# Altium PCB Sayma_AMC_RFSoC.PcbDoc (part 6 of 11) (continued)
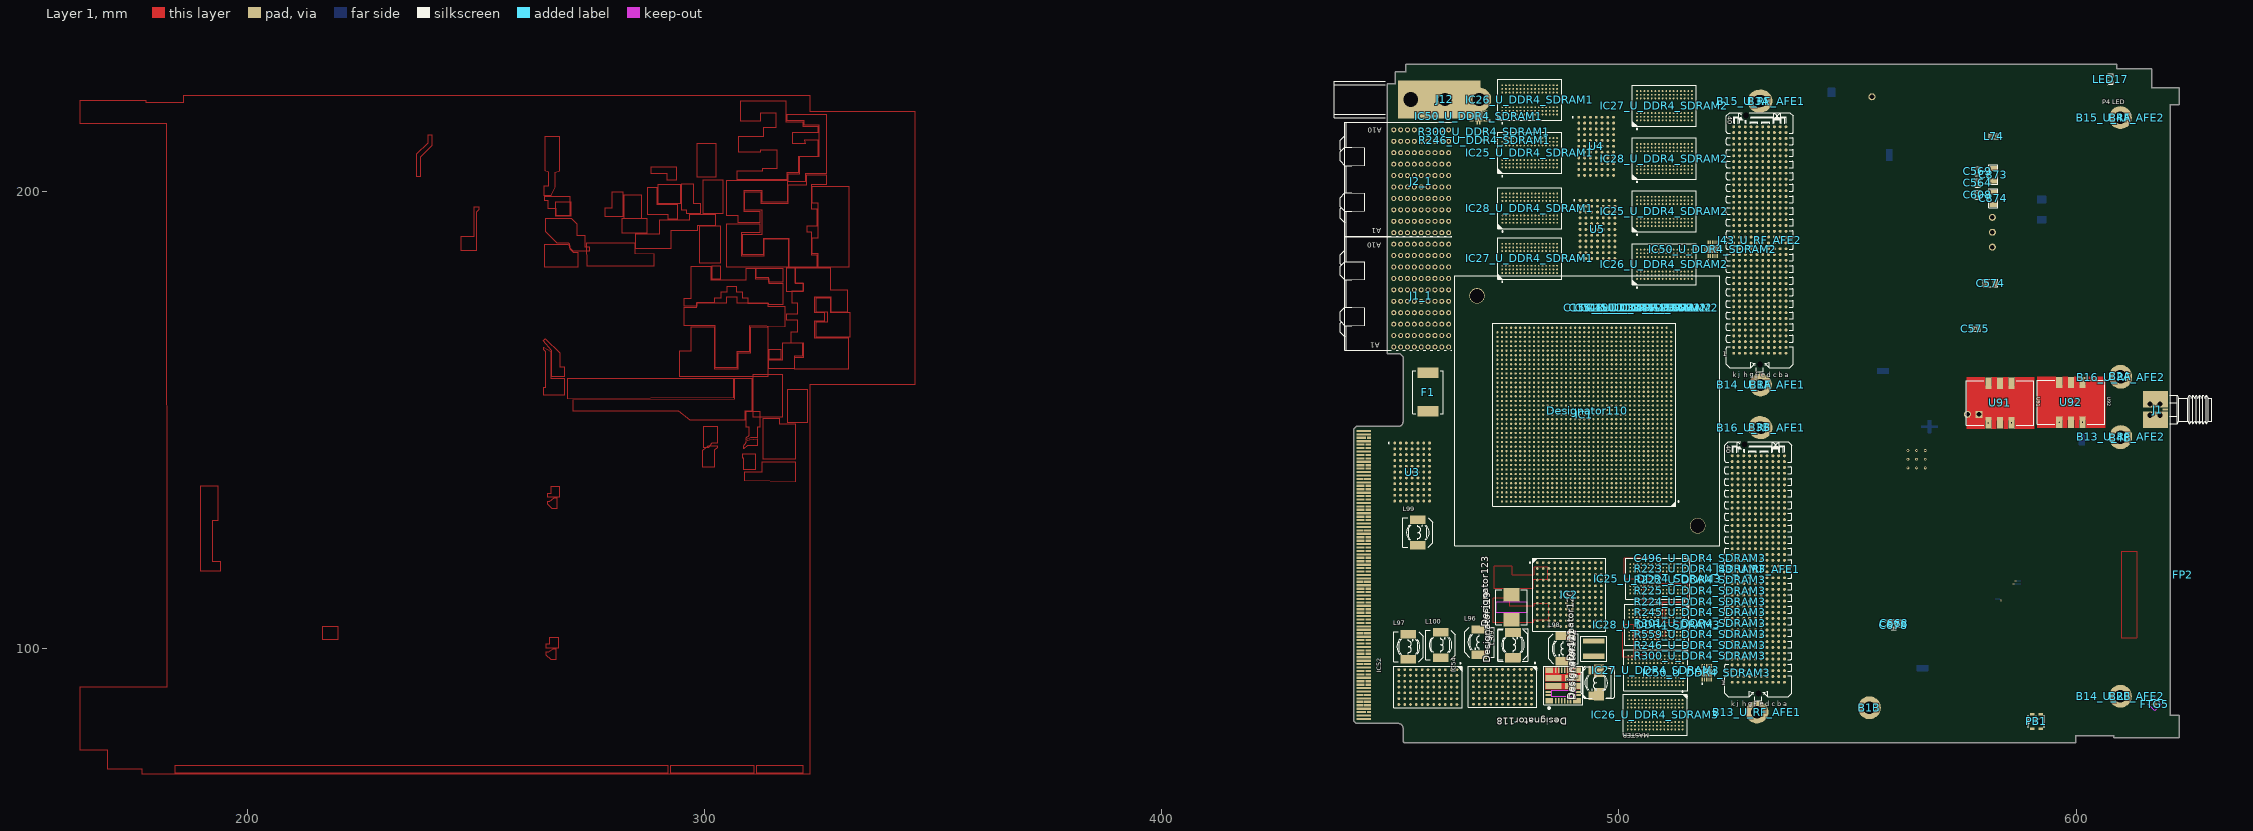
[diagram p0: Layer 1 view]
## Nets (pads, with @x,y where several pads share a name; then routed paths per layer and width w, separated by ;. In a path a pad name is that pad's centre, name@x,y a point inside that pad or via, vN(x,y) a via of type N, cw(c..) or ccw(c..) an arc to the next point about the centre after c; other vN are vias at no path point) (continued)
IC26_U_DDR4_SDRAM1.P1 IC26_U_DDR4_SDRAM1.P3 IC26_U_DDR4_SDRAM1.P7 IC26_U_DDR4_SDRAM1.P9 IC26_U_DDR4_SDRAM1.R3 IC26_U_DDR4_SDRAM1.T3 IC26_U_DDR4_SDRAM1.T7 IC26_U_DDR4_SDRAM2.A3 IC26_U_DDR4_SDRAM2.A7 IC26_U_DDR4_SDRAM2.B7 IC26_U_DDR4_SDRAM2.B8 IC26_U_DDR4_SDRAM2.C2 IC26_U_DDR4_SDRAM2.C3 IC26_U_DDR4_SDRAM2.C7 IC26_U_DDR4_SDRAM2.C8 IC26_U_DDR4_SDRAM2.D3 IC26_U_DDR4_SDRAM2.D7 IC26_U_DDR4_SDRAM2.F3 IC26_U_DDR4_SDRAM2.F7 IC26_U_DDR4_SDRAM2.G2 IC26_U_DDR4_SDRAM2.G3 IC26_U_DDR4_SDRAM2.H2 IC26_U_DDR4_SDRAM2.H3 IC26_U_DDR4_SDRAM2.H7 IC26_U_DDR4_SDRAM2.H8 IC26_U_DDR4_SDRAM2.J3 IC26_U_DDR4_SDRAM2.J7 IC26_U_DDR4_SDRAM2.K2 IC26_U_DDR4_SDRAM2.K3 IC26_U_DDR4_SDRAM2.K7 IC26_U_DDR4_SDRAM2.K8 IC26_U_DDR4_SDRAM2.L2 IC26_U_DDR4_SDRAM2.L3 IC26_U_DDR4_SDRAM2.L7 IC26_U_DDR4_SDRAM2.L8 IC26_U_DDR4_SDRAM2.M2 IC26_U_DDR4_SDRAM2.M3 IC26_U_DDR4_SDRAM2.M7 IC26_U_DDR4_SDRAM2.M8 IC26_U_DDR4_SDRAM2.N2 IC26_U_DDR4_SDRAM2.N3 IC26_U_DDR4_SDRAM2.N7 IC26_U_DDR4_SDRAM2.N8 IC26_U_DDR4_SDRAM2.P1 IC26_U_DDR4_SDRAM2.P2 IC26_U_DDR4_SDRAM2.P8 IC26_U_DDR4_SDRAM2.P9 IC26_U_DDR4_SDRAM2.R2 IC26_U_DDR4_SDRAM2.R7 IC26_U_DDR4_SDRAM2.R8 IC26_U_DDR4_SDRAM2.T2 IC26_U_DDR4_SDRAM2.T3 IC26_U_DDR4_SDRAM2.T7 IC26_U_DDR4_SDRAM3.A3 IC26_U_DDR4_SDRAM3.B8 IC26_U_DDR4_SDRAM3.C2 IC26_U_DDR4_SDRAM3.C3 IC26_U_DDR4_SDRAM3.C7 IC26_U_DDR4_SDRAM3.C8 IC26_U_DDR4_SDRAM3.D3 IC26_U_DDR4_SDRAM3.D7 IC26_U_DDR4_SDRAM3.E2 IC26_U_DDR4_SDRAM3.E7 IC26_U_DDR4_SDRAM3.F7 IC26_U_DDR4_SDRAM3.G2 IC26_U_DDR4_SDRAM3.H2 IC26_U_DDR4_SDRAM3.H3 IC26_U_DDR4_SDRAM3.H7 IC26_U_DDR4_SDRAM3.H8 IC26_U_DDR4_SDRAM3.J3 IC26_U_DDR4_SDRAM3.J7 IC26_U_DDR4_SDRAM3.M3 IC26_U_DDR4_SDRAM3.M7 IC26_U_DDR4_SDRAM3.N3 IC26_U_DDR4_SDRAM3.N7 IC26_U_DDR4_SDRAM3.P2 IC26_U_DDR4_SDRAM3.P3 IC26_U_DDR4_SDRAM3.P7 IC26_U_DDR4_SDRAM3.P8 IC26_U_DDR4_SDRAM3.R2 IC26_U_DDR4_SDRAM3.R3 IC26_U_DDR4_SDRAM3.R7 IC26_U_DDR4_SDRAM3.R8 IC26_U_DDR4_SDRAM3.T2 IC26_U_DDR4_SDRAM3.T7 IC27_U_DDR4_SDRAM1.A7 IC27_U_DDR4_SDRAM1.B7 IC27_U_DDR4_SDRAM1.E2 IC27_U_DDR4_SDRAM1.E7 IC27_U_DDR4_SDRAM1.F3 IC27_U_DDR4_SDRAM1.G3 IC27_U_DDR4_SDRAM1.K2 IC27_U_DDR4_SDRAM1.K3 IC27_U_DDR4_SDRAM1.K7 IC27_U_DDR4_SDRAM1.K8 IC27_U_DDR4_SDRAM1.L2 IC27_U_DDR4_SDRAM1.L3 IC27_U_DDR4_SDRAM1.L7 IC27_U_DDR4_SDRAM1.L8 IC27_U_DDR4_SDRAM1.M2 IC27_U_DDR4_SDRAM1.M8 IC27_U_DDR4_SDRAM1.N2 IC27_U_DDR4_SDRAM1.N8 IC27_U_DDR4_SDRAM1.P1 IC27_U_DDR4_SDRAM1.P3 IC27_U_DDR4_SDRAM1.P7 IC27_U_DDR4_SDRAM1.P9 IC27_U_DDR4_SDRAM1.R3 IC27_U_DDR4_SDRAM1.T3 IC27_U_DDR4_SDRAM1.T7 IC27_U_DDR4_SDRAM2.A3 IC27_U_DDR4_SDRAM2.A7 IC27_U_DDR4_SDRAM2.B7 IC27_U_DDR4_SDRAM2.B8 IC27_U_DDR4_SDRAM2.C2 IC27_U_DDR4_SDRAM2.C3 IC27_U_DDR4_SDRAM2.C7 IC27_U_DDR4_SDRAM2.C8 IC27_U_DDR4_SDRAM2.D3 IC27_U_DDR4_SDRAM2.D7 IC27_U_DDR4_SDRAM2.F3 IC27_U_DDR4_SDRAM2.F7 IC27_U_DDR4_SDRAM2.G2 IC27_U_DDR4_SDRAM2.G3 IC27_U_DDR4_SDRAM2.H2 IC27_U_DDR4_SDRAM2.H3 IC27_U_DDR4_SDRAM2.H7 IC27_U_DDR4_SDRAM2.H8 IC27_U_DDR4_SDRAM2.J3 IC27_U_DDR4_SDRAM2.J7 IC27_U_DDR4_SDRAM2.K2 IC27_U_DDR4_SDRAM2.K3 IC27_U_DDR4_SDRAM2.K7 IC27_U_DDR4_SDRAM2.K8 IC27_U_DDR4_SDRAM2.L2 IC27_U_DDR4_SDRAM2.L3 IC27_U_DDR4_SDRAM2.L7 IC27_U_DDR4_SDRAM2.L8 IC27_U_DDR4_SDRAM2.M2 IC27_U_DDR4_SDRAM2.M3 IC27_U_DDR4_SDRAM2.M7 IC27_U_DDR4_SDRAM2.M8 IC27_U_DDR4_SDRAM2.N2 IC27_U_DDR4_SDRAM2.N3 IC27_U_DDR4_SDRAM2.N7 IC27_U_DDR4_SDRAM2.N8 IC27_U_DDR4_SDRAM2.P1 IC27_U_DDR4_SDRAM2.P2 IC27_U_DDR4_SDRAM2.P8 IC27_U_DDR4_SDRAM2.P9 IC27_U_DDR4_SDRAM2.R2 IC27_U_DDR4_SDRAM2.R7 IC27_U_DDR4_SDRAM2.R8 IC27_U_DDR4_SDRAM2.T2 IC27_U_DDR4_SDRAM2.T3 IC27_U_DDR4_SDRAM2.T7 IC27_U_DDR4_SDRAM3.A3 IC27_U_DDR4_SDRAM3.B8 IC27_U_DDR4_SDRAM3.C2 IC27_U_DDR4_SDRAM3.C3 IC27_U_DDR4_SDRAM3.C7 IC27_U_DDR4_SDRAM3.C8 IC27_U_DDR4_SDRAM3.D3 IC27_U_DDR4_SDRAM3.D7 IC27_U_DDR4_SDRAM3.E2 IC27_U_DDR4_SDRAM3.E7 IC27_U_DDR4_SDRAM3.F7 IC27_U_DDR4_SDRAM3.G2 IC27_U_DDR4_SDRAM3.H2 IC27_U_DDR4_SDRAM3.H3 IC27_U_DDR4_SDRAM3.H7 IC27_U_DDR4_SDRAM3.H8 IC27_U_DDR4_SDRAM3.J3 IC27_U_DDR4_SDRAM3.J7 IC27_U_DDR4_SDRAM3.M3 IC27_U_DDR4_SDRAM3.M7 IC27_U_DDR4_SDRAM3.N3 IC27_U_DDR4_SDRAM3.N7 IC27_U_DDR4_SDRAM3.P2 IC27_U_DDR4_SDRAM3.P3 IC27_U_DDR4_SDRAM3.P7 IC27_U_DDR4_SDRAM3.P8 IC27_U_DDR4_SDRAM3.R2 IC27_U_DDR4_SDRAM3.R3 IC27_U_DDR4_SDRAM3.R7 IC27_U_DDR4_SDRAM3.R8 IC27_U_DDR4_SDRAM3.T2 IC27_U_DDR4_SDRAM3.T7 IC28_U_DDR4_SDRAM1.A7 IC28_U_DDR4_SDRAM1.B7 IC28_U_DDR4_SDRAM1.E2 IC28_U_DDR4_SDRAM1.E7 IC28_U_DDR4_SDRAM1.F3 IC28_U_DDR4_SDRAM1.G3 IC28_U_DDR4_SDRAM1.K2 IC28_U_DDR4_SDRAM1.K3 IC28_U_DDR4_SDRAM1.K7 IC28_U_DDR4_SDRAM1.K8 IC28_U_DDR4_SDRAM1.L2 IC28_U_DDR4_SDRAM1.L3 IC28_U_DDR4_SDRAM1.L7 IC28_U_DDR4_SDRAM1.L8 IC28_U_DDR4_SDRAM1.M2 IC28_U_DDR4_SDRAM1.M8 IC28_U_DDR4_SDRAM1.N2 IC28_U_DDR4_SDRAM1.N8 IC28_U_DDR4_SDRAM1.P1 IC28_U_DDR4_SDRAM1.P3 IC28_U_DDR4_SDRAM1.P7 IC28_U_DDR4_SDRAM1.P9 IC28_U_DDR4_SDRAM1.R3 IC28_U_DDR4_SDRAM1.T3 IC28_U_DDR4_SDRAM1.T7 IC28_U_DDR4_SDRAM2.A3 IC28_U_DDR4_SDRAM2.A7 IC28_U_DDR4_SDRAM2.B7 IC28_U_DDR4_SDRAM2.B8 IC28_U_DDR4_SDRAM2.C2 IC28_U_DDR4_SDRAM2.C3 IC28_U_DDR4_SDRAM2.C7 IC28_U_DDR4_SDRAM2.C8 IC28_U_DDR4_SDRAM2.D3 IC28_U_DDR4_SDRAM2.D7 IC28_U_DDR4_SDRAM2.F3 IC28_U_DDR4_SDRAM2.F7 IC28_U_DDR4_SDRAM2.G2 IC28_U_DDR4_SDRAM2.G3 IC28_U_DDR4_SDRAM2.H2 IC28_U_DDR4_SDRAM2.H3 IC28_U_DDR4_SDRAM2.H7 IC28_U_DDR4_SDRAM2.H8 IC28_U_DDR4_SDRAM2.J3 IC28_U_DDR4_SDRAM2.J7 IC28_U_DDR4_SDRAM2.K2 IC28_U_DDR4_SDRAM2.K3 IC28_U_DDR4_SDRAM2.K7 IC28_U_DDR4_SDRAM2.K8 IC28_U_DDR4_SDRAM2.L2 IC28_U_DDR4_SDRAM2.L3 IC28_U_DDR4_SDRAM2.L7 IC28_U_DDR4_SDRAM2.L8 IC28_U_DDR4_SDRAM2.M2 IC28_U_DDR4_SDRAM2.M3 IC28_U_DDR4_SDRAM2.M7 IC28_U_DDR4_SDRAM2.M8 IC28_U_DDR4_SDRAM2.N2 IC28_U_DDR4_SDRAM2.N3 IC28_U_DDR4_SDRAM2.N7 IC28_U_DDR4_SDRAM2.N8 IC28_U_DDR4_SDRAM2.P1 IC28_U_DDR4_SDRAM2.P2 IC28_U_DDR4_SDRAM2.P8 IC28_U_DDR4_SDRAM2.P9 IC28_U_DDR4_SDRAM2.R2 IC28_U_DDR4_SDRAM2.R7 IC28_U_DDR4_SDRAM2.R8 IC28_U_DDR4_SDRAM2.T2 IC28_U_DDR4_SDRAM2.T3 IC28_U_DDR4_SDRAM2.T7 IC28_U_DDR4_SDRAM3.A3 IC28_U_DDR4_SDRAM3.B8 IC28_U_DDR4_SDRAM3.C2 IC28_U_DDR4_SDRAM3.C3 IC28_U_DDR4_SDRAM3.C7 IC28_U_DDR4_SDRAM3.C8 IC28_U_DDR4_SDRAM3.D3 IC28_U_DDR4_SDRAM3.D7 IC28_U_DDR4_SDRAM3.E2 IC28_U_DDR4_SDRAM3.E7 IC28_U_DDR4_SDRAM3.F7 IC28_U_DDR4_SDRAM3.G2 IC28_U_DDR4_SDRAM3.H2 IC28_U_DDR4_SDRAM3.H3 IC28_U_DDR4_SDRAM3.H7 IC28_U_DDR4_SDRAM3.H8 IC28_U_DDR4_SDRAM3.J3 IC28_U_DDR4_SDRAM3.J7 IC28_U_DDR4_SDRAM3.M3 IC28_U_DDR4_SDRAM3.M7 IC28_U_DDR4_SDRAM3.N3 IC28_U_DDR4_SDRAM3.N7 IC28_U_DDR4_SDRAM3.P2 IC28_U_DDR4_SDRAM3.P3 IC28_U_DDR4_SDRAM3.P7 IC28_U_DDR4_SDRAM3.P8 IC28_U_DDR4_SDRAM3.R2 IC28_U_DDR4_SDRAM3.R3 IC28_U_DDR4_SDRAM3.R7 IC28_U_DDR4_SDRAM3.R8 IC28_U_DDR4_SDRAM3.T2 IC28_U_DDR4_SDRAM3.T7 IC52.A1 IC52.A2 IC52.A3 IC52.A4 IC52.A5 IC52.A6 IC52.A7 IC52.B1 IC52.B2 IC52.B3 IC52.B4 IC52.B5 IC52.B6 IC52.B7 IC52.C1 IC52.C2 IC52.C3 IC52.C4 IC52.C5 IC52.C6 IC52.C7 IC52.D1 IC52.D2 IC52.D3 IC52.D4 IC52.D5 IC52.D6 IC52.D7 IC52.E1 IC52.E2 IC52.E3 IC52.E4 IC52.E5 IC52.E6 IC52.E7 IC52.F1 IC52.F2 IC52.F3 IC52.F4 IC52.F5 IC52.F6 IC52.F7 IC52.G1 IC52.G2 IC52.G3 IC52.G4 IC52.G5 IC52.G6 IC52.G7 IC52.H1 IC52.H2 IC52.H3 IC52.H4 IC52.H5 IC52.H6 IC52.H7 IC52.J1 IC52.J2 IC52.J3 IC52.J4 IC52.J5 IC52.J6 IC52.J7 IC52.K1 IC52.K2 IC52.K3 IC52.K4 IC52.K5 IC52.K6 IC52.K7 IC52.L1 IC52.L2 IC52.L3 IC52.L4 IC52.L5 IC52.L6 IC52.L7 IC54.A1 IC54.A2 IC54.A3 IC54.A4 IC54.A5 IC54.A6 IC54.A7 IC54.B1 IC54.B2 IC54.B3 IC54.B4 IC54.B5 IC54.B6 IC54.B7 IC54.C1 IC54.C2 IC54.C3 IC54.C4 IC54.C5 IC54.C6 IC54.C7 IC54.D1 IC54.D2 IC54.D3 IC54.D4 IC54.D5 IC54.D6 IC54.D7 IC54.E1 IC54.E2 IC54.E3 IC54.E4 IC54.E5 IC54.E6 IC54.E7 IC54.F1 IC54.F2 IC54.F3 IC54.F4 IC54.F5 IC54.F6 IC54.F7 IC54.G1 IC54.G2 IC54.G3 IC54.G4 IC54.G5 IC54.G6 IC54.G7 IC54.H1 IC54.H2 IC54.H3 IC54.H4 IC54.H5 IC54.H6 IC54.H7 IC54.J1 IC54.J2 IC54.J3 IC54.J4 IC54.J5 IC54.J6 IC54.J7 IC54.K1 IC54.K2 IC54.K3 IC54.K4 IC54.K5 IC54.K6 IC54.K7 IC54.L1 IC54.L2 IC54.L3 IC54.L4 IC54.L5 IC54.L6 IC54.L7 IC60.1 IC60.7 IC60.8 IC60.9 IC60.10 J1_1.A1 J1_1.A2 J1_1.A3 J1_1.A4 J1_1.A5 J1_1.A6 J1_1.A7 J1_1.A8 J1_1.A9 J1_1.A10 J1_1.B1 J1_1.B2 J1_1.B3 J1_1.B4 J1_1.B5 J1_1.B6 J1_1.B7 J1_1.B8 J1_1.B9 J1_1.B10 J1_1.BG1 J1_1.BG2 J1_1.BG3 J1_1.BG4 J1_1.BG5 J1_1.BG6 J1_1.BG7 J1_1.BG8 J1_1.BG9 J1_1.BG10 J1_1.C1 J1_1.C2 J1_1.C3 J1_1.C4 J1_1.C5 J1_1.C6 J1_1.C7 J1_1.C8 J1_1.C9 J1_1.C10 J1_1.D1 J1_1.D2 J1_1.D3 J1_1.D4 J1_1.D5 J1_1.D6 J1_1.D7 J1_1.D8 J1_1.D9 J1_1.D10 J1_1.DG1 J1_1.DG2 J1_1.DG3 J1_1.DG4 J1_1.DG5 J1_1.DG6 J1_1.DG7 J1_1.DG8 J1_1.DG9 J1_1.DG10 J1_1.E1 J1_1.E2 J1_1.E3 J1_1.E4 J1_1.E5 J1_1.E6 J1_1.E7 J1_1.E8 J1_1.E9 J1_1.E10 J1_1.F1 J1_1.F2 J1_1.F3 J1_1.F4 J1_1.F5 J1_1.F6 J1_1.F7 J1_1.F8 J1_1.F9 J1_1.F10 J1_1.FG1 J1_1.FG2 J1_1.FG3 J1_1.FG4 J1_1.FG5 J1_1.FG6 J1_1.FG7 J1_1.FG8 J1_1.FG9 J1_1.FG10 J2_1.A1 J2_1.A2 J2_1.A3 J2_1.A4 J2_1.A5 J2_1.A6 J2_1.A7 J2_1.A8 J2_1.A9 J2_1.A10 J2_1.B1 J2_1.B2 J2_1.B3 J2_1.B4 J2_1.B5 J2_1.B6 J2_1.B7 J2_1.B8 J2_1.B9 J2_1.B10 J2_1.BG1 J2_1.BG2 J2_1.BG3 J2_1.BG4 J2_1.BG5 J2_1.BG6 J2_1.BG7 J2_1.BG8 J2_1.BG9 J2_1.BG10 J2_1.C1 J2_1.C2 J2_1.C3 J2_1.C4 J2_1.C5 J2_1.C6 J2_1.C7 J2_1.C8 J2_1.C9 J2_1.C10 J2_1.D1 J2_1.D2 J2_1.D3 J2_1.D4 J2_1.D5 J2_1.D6 J2_1.D7 J2_1.D8 J2_1.D9 J2_1.D10 J2_1.DG1 J2_1.DG2 J2_1.DG3 J2_1.DG4 J2_1.DG5 J2_1.DG6 J2_1.DG7 J2_1.DG8 J2_1.DG9 J2_1.DG10 J2_1.E1 J2_1.E2 J2_1.E3 J2_1.E4 J2_1.E5 J2_1.E6 J2_1.E7 J2_1.E8 J2_1.E9 J2_1.E10 J2_1.F1 J2_1.F2 J2_1.F3 J2_1.F4 J2_1.F5 J2_1.F6 J2_1.F7 J2_1.F8 J2_1.F9 J2_1.F10 J2_1.FG1 J2_1.FG2 J2_1.FG3 J2_1.FG4 J2_1.FG5 J2_1.FG6 J2_1.FG7 J2_1.FG8 J2_1.FG9 J2_1.FG10 J12.1 J43_U_RF_AFE1.1 J43_U_RF_AFE1.2 J43_U_RF_AFE1.b31 J43_U_RF_AFE1.b32 J43_U_RF_AFE1.e31 J43_U_RF_AFE1.e32 J43_U_RF_AFE1.f32 J43_U_RF_AFE1.g28 J43_U_RF_AFE1.h29 J43_U_RF_AFE1.h30 J43_U_RF_AFE1.k28 J43_U_RF_AFE1.k29 J43_U_RF_AFE2.1 J43_U_RF_AFE2.2 J43_U_RF_AFE2.b31 J43_U_RF_AFE2.b32 J43_U_RF_AFE2.e31 J43_U_RF_AFE2.e32 J43_U_RF_AFE2.f32 J43_U_RF_AFE2.g28 J43_U_RF_AFE2.h29 J43_U_RF_AFE2.h30 J43_U_RF_AFE2.k28 J43_U_RF_AFE2.k29 J110.1 J110.2 L60_1.1 L60_1.2 L96.1 L96.2 L97.1 L97.2 L98.1 L98.2 L99.1 L99.2 L100.1 L100.2 LED1.1 LED1.2 LED1.3 LED2.1 LED2.2 LED2.3 LED17.A LED17.K MSBOX1.1 MSBOX1.2 MSBOX1.3 MSBOX1.4 MSBOX1.5 MSBOX1.11 MSBOX1.12 MSBOX1.13 MSBOX1.14 MSBOX1.15 MSBOX1.16 MSBOX1.17 MSBOX1.18 MSBOX1.19 MSBOX1.20 MSBOX1_U_ADC_PLL1.6 MSBOX1_U_ADC_PLL1.7 MSBOX1_U_ADC_PLL1.8 MSBOX1_U_ADC_PLL1.9 MSBOX1_U_ADC_PLL1.10 MSBOX1_U_ADC_PLL1.11 MSBOX1_U_ADC_PLL1.12 MSBOX1_U_ADC_PLL1.13 MSBOX1_U_ADC_PLL1.14 MSBOX1_U_ADC_PLL1.15 MSBOX1_U_ADC_PLL1.16 MSBOX1_U_ADC_PLL1.17 MSBOX1_U_ADC_PLL1.18 MSBOX1_U_ADC_PLL1.19 MSBOX1_U_ADC_PLL1.20 MSBOX1_U_ADC_PLL2.6 MSBOX1_U_ADC_PLL2.7 MSBOX1_U_ADC_PLL2.8 MSBOX1_U_ADC_PLL2.9 MSBOX1_U_ADC_PLL2.10 MSBOX1_U_ADC_PLL2.11 MSBOX1_U_ADC_PLL2.12 MSBOX1_U_ADC_PLL2.13 MSBOX1_U_ADC_PLL2.14 MSBOX1_U_ADC_PLL2.15 MSBOX1_U_ADC_PLL2.16 MSBOX1_U_ADC_PLL2.17 MSBOX1_U_ADC_PLL2.18 MSBOX1_U_ADC_PLL2.19 MSBOX1_U_ADC_PLL2.20 P1.1 P1.2 P1.3 P1.4 P1.5 P1.6 P1.7 P1.8 P1.9 P1.10 P1.11 P1.12 P1.13 P1.14 P1.15 P1.16 P1.17 P1.18 P1.19 P1.20 P1.21 P1.22 P1.23 P1.24 P1.25 P1.26 P1.27 P1.28 P1.29 P1.30 P1.31 P1.32 P1.33 P1.34 P1.35 P1.36 P1.37 P1.38 P1.39 P1.40 P1.41 P1.42 P1.43 P1.44 P1.45 P1.46 P1.47 P1.48 P1.49 P1.50 P1.51 P1.52 P1.53 P1.54 P1.55 P1.56 P1.57 P1.58 P1.59 P1.60 P1.61 P1.62 P1.63 P1.64 P1.65 P1.66 P1.67 P1.68 P1.69 P1.70 P1.71 P1.72 P1.73 P1.74 P1.75 P1.76 P1.77 P1.78 P1.79 P1.80 P1.81 P1.82 P1.83 P1.84 P1.85 P1.86 P1.87 P1.88 P1.89 P1.90 P1.91 P1.92 P1.93 P1.94 P1.95 P1.96 P1.97 P1.98 P1.99 P1.100 P1.101 P1.102 P1.103 P1.104 P1.105 P1.106 P1.107 P1.108 P1.109 P1.110 P1.111 P1.112 P1.113 P1.114 P1.115 P1.116 P1.117 P1.118 P1.119 P1.120 P1.121 P1.122 P1.123 P1.124 P1.125 P1.126 P1.127 P1.128 P1.129 P1.130 P1.131 P1.132 P1.133 P1.134 P1.135 P1.136 P1.137 P1.138 P1.139 P1.140 P1.141 P1.142 P1.143 P1.144 P1.145 P1.146 P1.147 P1.148 P1.149 P1.150 P1.151 P1.152 P1.153 P1.154 P1.155 P1.156 P1.157 P1.158 P1.159 P1.160 P1.161 P1.162 P1.163 P1.164 P1.165 P1.166 P1.167 P1.168 P1.169 P1.170 P1.171 P1.172 P1.173 P1.174 P1.175 P1.176 P1.177 P1.178 P1.179 P1.180 P1.181 P1.182 P1.183 P1.184 P1.185 P1.186 P1.187 P1.188 P1.189 P1.190 P1.191 P1.192 P1.193 P1.194 P1.195 P1.196 P1.197 P1.198 P1.199 P1.200 P1.201 P1.202 P1.203 P1.204 P1.205 P1.206 P1.207 P1.208 P1.209 P1.210 P1.211 P1.212 P1.213 P1.214 P1.215 P1.216 P1.217 P1.218 P1.219 P1.220 P1.221 P1.222 P1.223 P1.224 P1.225 P1.226 P1.227 P1.228 P1.229 P1.230 P1.231 P1.232 P1.233 P1.234 P1.235 P1.236 P1.237 P1.238 P1.239 P1.240 P1.241 P1.242 P1.243 P1.244 P1.245 P1.246 P1.247 P1.248 P1.249 P1.250 P1.251 P1.252 P1.253 P1.254 P1.255 P1.256 P1.257 P1.258 P1.259 P1.260 P1.261 P1.262 P1.263 P1.264 P1.265 P1.266 P1.267 P1.268 P1.269 P1.270 P1.271 P1.272 P1.273 P1.274 PB1.1 PB1.2 PB1.3 PB1.4 PB1.5 PB1.10 R222_U_DDR4_SDRAM1.2 R222_U_DDR4_SDRAM3.2 R223_U_DDR4_SDRAM1.2 R223_U_DDR4_SDRAM3.2 R224_U_DDR4_SDRAM1.2 R224_U_DDR4_SDRAM3.2 R225_U_DDR4_SDRAM2.2 R225_U_DDR4_SDRAM3.2 R226_U_DDR4_SDRAM2.2 R226_U_DDR4_SDRAM3.2 R227_U_DDR4_SDRAM2.2 R227_U_DDR4_SDRAM3.2 R228_U_DDR4_SDRAM2.2 R228_U_DDR4_SDRAM3.2 R229_U_DDR4_SDRAM2.2 R229_U_DDR4_SDRAM3.2 R230_U_DDR4_SDRAM2.2 R230_U_DDR4_SDRAM3.2 R231_U_DDR4_SDRAM2.2 R231_U_DDR4_SDRAM3.2 R232_U_DDR4_SDRAM2.2 R232_U_DDR4_SDRAM3.2 R233_U_DDR4_SDRAM2.2 R233_U_DDR4_SDRAM3.2 R234_U_DDR4_SDRAM2.2 R234_U_DDR4_SDRAM3.2 R236_U_DDR4_SDRAM1.2 R236_U_DDR4_SDRAM2.2 R237_U_DDR4_SDRAM1.2 R237_U_DDR4_SDRAM2.2 R238_U_DDR4_SDRAM1.2 R238_U_DDR4_SDRAM2.2 R239_U_DDR4_SDRAM1.2 R239_U_DDR4_SDRAM2.2 R240_U_DDR4_SDRAM1.2 R240_U_DDR4_SDRAM2.2 R241_U_DDR4_SDRAM1.2 R241_U_DDR4_SDRAM2.2 R242_U_DDR4_SDRAM1.2 R242_U_DDR4_SDRAM2.2 R243_U_DDR4_SDRAM1.2 R243_U_DDR4_SDRAM2.2 R244_U_DDR4_SDRAM1.2 R244_U_DDR4_SDRAM2.2 R245_U_DDR4_SDRAM1.2 R245_U_DDR4_SDRAM2.2 R246_U_DDR4_SDRAM1.2 R246_U_DDR4_SDRAM2.2 U1_U_ADC_PLL1.30 U1_U_ADC_PLL1.32 U1_U_ADC_PLL2.30 U1_U_ADC_PLL2.32 U2.30 U2.32 U3.A1 U3.A2 U3.A3 U3.A4 U3.A5 U3.A6 U3.A7 U3.B1 U3.B2 U3.B3 U3.B4 U3.B5 U3.B6 U3.B7 U3.C1 U3.C2 U3.C3 U3.C4 U3.C5 U3.C6 U3.C7 U3.D1 U3.D2 U3.D3 U3.D4 U3.D5 U3.D6 U3.D7 U3.E1 U3.E2 U3.E3 U3.E4 U3.E5 U3.E6 U3.E7 U3.F1 U3.F2 U3.F3 U3.F4 U3.F5 U3.F6 U3.F7 U3.G1 U3.G2 U3.G3 U3.G4 U3.G5 U3.G6 U3.G7 U3.H1 U3.H2 U3.H3 U3.H4 U3.H5 U3.H6 U3.H7 U3.J1 U3.J2 U3.J3 U3.J4 U3.J5 U3.J6 U3.J7 U3.K1 U3.K2 U3.K3 U3.K4 U3.K5 U3.K6 U3.K7 U3.L1 U3.L2 U3.L3 U3.L4 U3.L5 U3.L6 U3.L7 U4.A1 U4.A2 U4.A3 U4.A4 U4.A5 U4.A6 U4.A7 U4.B1 U4.B2 U4.B3 U4.B4 U4.B5 U4.B6 U4.B7 U4.C1 U4.C2 U4.C3 U4.C4 U4.C5 U4.C6 U4.C7 U4.D1 U4.D2 U4.D3 U4.D4 U4.D5 U4.D6 U4.D7 U4.E1 U4.E2 U4.E3 U4.E4 U4.E5 U4.E6 U4.E7 U4.F1 U4.F2 U4.F3 U4.F4 U4.F5 U4.F6 U4.F7 U4.G1 U4.G2 U4.G3 U4.G4 U4.G5 U4.G6 U4.G7 U4.H1 U4.H2 U4.H3 U4.H4 U4.H5 U4.H6 U4.H7 U4.J1 U4.J2 U4.J3 U4.J4 U4.J5 U4.J6 U4.J7 U4.K1 U4.K2 U4.K3 U4.K4 U4.K5 U4.K6 U4.K7 U4.L1 U4.L2 U4.L3 U4.L4 U4.L5 U4.L6 U4.L7 U5.A1 U5.A2 U5.A3 U5.A4 U5.A5 U5.A6 U5.A7 U5.B1 U5.B2 U5.B3 U5.B4 U5.B5 U5.B6 U5.B7 U5.C1 U5.C2 U5.C3 U5.C4 U5.C5 U5.C6 U5.C7 U5.D1 U5.D2 U5.D3 U5.D4 U5.D5 U5.D6 U5.D7 U5.E1 U5.E2 U5.E3 U5.E4 U5.E5 U5.E6 U5.E7 U5.F1 U5.F2 U5.F3 U5.F4 U5.F5 U5.F6 U5.F7 U5.G1 U5.G2 U5.G3 U5.G4 U5.G5 U5.G6 U5.G7 U5.H1 U5.H2 U5.H3 U5.H4 U5.H5 U5.H6 U5.H7 U5.J1 U5.J2 U5.J3 U5.J4 U5.J5 U5.J6 U5.J7 U5.K1 U5.K2 U5.K3 U5.K4 U5.K5 U5.K6 U5.K7 U5.L1 U5.L2 U5.L3 U5.L4 U5.L5 U5.L6 U5.L7 U50.1 U50.2 U50.5 U50.11 U50.12 U50.14 U50.15 U50.20 U50.21 U50.25 U50.27 U50.28 U50.37 U50.38 U50.47 U50.48 U50.50 U50.51 U50.53 U50.54 U50.55 U50.56 U50.58 U50.61 U50.62 U50.63 U50.64 U72.3 U72.8 U78.8 U90.1 U90.2 U90.5 U90.6 U90.7 U90.8 U90.9 U90.15 U90.16 U90.19 U90.20 U90.31 U90.32 U90.39 U90.40 U90.50 U90.51 U90.55 U90.56 U90.60 U90.61 U90.62 U90.63 U91.2 U91.5 U92.1 U92.2 U92.5 U98.3 U98.4 U98.11 U98.12 U98.25 U98.26 U98.27 U98.29 U98.31 U100.8 U101.8 U106.8 U106.10
copper on no net:
  other v2: 583.566,110.544

## Polygon pours and split planes (outlines as drawn)
P12V0 on Layer 18 "Layer 10-P12V0" (solid, shelved, pour order 219): 345.85,157.93 345.85,175.93 335.1,175.93 335.1,164.18 341.35,164.18 341.35,157.93
P3V3MP on Layer 18 "Layer 10-P3V3MP" (solid, shelved, pour order 36): 340.6,163.68 340.6,161.18 339.35,161.18 339.35,161.93 338.6,162.68 331.35,162.68 331.35,163.68
no net on Layer 18 "Layer 10-P2V0" (solid, shelved, pour order 235): 274.85,218.68 274.85,220.93 188.1,220.93 188.1,217.68 195.6,217.68 195.6,216.43 270.6,216.43 270.6,218.68
no net on Layer 18 "Layer 10-P1V0" (solid, shelved, pour order 234): 17 vertices, not listed, extent 268.35,180.58 283.1,219.93
no net on Layer 18 "Layer 10-P3V3CLKM" (solid, shelved, pour order 231): 306.35,79.93 306.35,142.68 312.1,142.68 312.35,135.68 309.1,135.68 309.417,104.908 309.6,104.93 309.6,83.93 312.6,83.93 312.683,79.93
QSPI2_DQ3 on Layer 18 "Layer 10-GND" (solid, shelved, pour order 217): 303.85,218.68 310.6,218.68 310.6,202.68 301.35,202.68 301.35,214.43 303.85,214.43
no net on Layer 18 "Layer 10-P1V8F" (solid, shelved, pour order 216): 290.1,194.68 295.1,194.68 296.1,193.68 299.85,193.68 299.85,186.93 297.6,186.93 297.6,174.93 291.6,174.93 291.6,192.93 290.1,192.93
N6V0A on Layer 18 "Layer 10-N6V0A" (solid, shelved, pour order 210): 21 vertices, not listed, extent 272.85,152.68 313.1,162.43
no net on Layer 18 "Layer 10-P2V0 1" (solid, shelved, pour order 207): 599.848,136.464 592.598,136.464 592.598,121.964 599.848,121.964
QSPI2_DQ3 on Layer 18 "Layer 10-GND 1" (solid, shelved, pour order 206): 304.35,202.43 310.35,202.43 310.35,184.43 305.35,184.43 305.35,189.18 304.6,189.18 304.6,194.68 303.6,194.68 303.6,198.43 304.35,198.43
no net on Layer 18 "Layer 10-P2V0 2" (solid, shelved, pour order 204): 183.35,95.18 190.6,95.18 190.6,109.18 183.35,109.18
P3V3MP on Layer 18 "Layer 10-P3V3MP 1" (solid, shelved, pour order 203): 18 vertices, not listed, extent 221.6,208.18 252.85,216.43
P12V0A on Layer 18 "Layer 10-P12V0A" (solid, shelved, pour order 199): 23 vertices, not listed, extent 263.35,170.43 271.85,203.93
no net on Layer 18 "Layer 10-P3V3_CLKDIS2" (solid, shelved, pour order 197): 211.1,78.68 211.1,74.43 193.392,74.43 191.933,75.68 185.1,75.68 185.1,77.43 187.1,77.43 189.6,79.68 189.6,81.68 191.35,81.68 196.35,76.68 208.6,76.68 208.6,78.68
no net on Layer 18 "Layer 10-P2V0 3" (solid, shelved, pour order 195): 220.51,101.976 220.51,109.226 211.01,109.226 211.01,101.976
no net on Layer 18 "Layer 10-PVDD12" (solid, shelved, pour order 194): 582.761,185.688 585.761,185.688 585.761,190.938 582.511,190.938 582.511,194.688 586.011,194.688 586.011,193.188 587.261,191.938 590.511,191.938 590.511,182.438 582.761,182.438
no net on Layer 18 "Layer 10-P2V0 4" (solid, shelved, pour order 193): 600.598,109.214 593.348,109.214 593.348,99.964 600.598,99.964
no net on Layer 18 "Layer 10-P4V0_LDO_IN5" (solid, shelved, pour order 192): 547.095,97.045 554.845,97.045 554.845,105.545 547.095,105.545
P3V3MP on Layer 18 "Layer 10-P3V3MP 2" (solid, shelved, pour order 187): 220.85,206.68 214.35,206.68 211.35,209.68 211.35,211.18 206.6,211.18 206.6,212.68 220.85,212.68
no net on Layer 18 "Layer 10-P4V0" (solid, shelved, pour order 183): 210.026,84.869 220.35,84.869 220.35,90.18 210.026,90.18
P1V8 on Layer 18 "Layer 10-P1V8" (solid, shelved, pour order 180): 198.35,210.43 198.35,209.18 206.35,209.18 214.6,200.93 214.6,199.68 212.6,199.68 212.6,200.93 205.85,207.68 203.6,207.68 203.6,204.68 197.6,204.68 197.6,206.93 196.85,206.93 196.85,210.43
no net on Layer 18 "Layer 10-PVDD12_10" (solid, shelved, pour order 178): 590.666,102.815 590.666,104.315 588.916,106.065 585.416,106.065 585.416,110.315 594.166,110.315 594.166,102.815
no net on Layer 18 "Layer 10-PLLVDD12" (solid, shelved, pour order 177): 192.35,125.43 192.35,124.18 196.85,124.18 196.85,118.68 188.1,118.68 188.1,122.68 189.6,122.68 189.6,125.43
no net on Layer 18 "Layer 10-XR77129ILB_F_VOUT2" (solid, shelved, pour order 176): 515.035,110.005 515.035,114.755 505.285,114.755 505.285,110.005
no net on Layer 18 "Layer 10-P3V3FEM_7" (solid, shelved, pour order 175): 261.85,164.43 261.85,156.43 263.1,156.43 263.1,153.43 265.1,151.43 264.85,149.68 268.35,149.68 268.35,151.93 265.85,154.18 264.85,155.18 264.85,162.93 265.6,162.93 265.6,164.43
no net on Layer 18 "Layer 10-SVDD12_9" (solid, shelved, pour order 174): 189.6,106.93 195.85,106.93 195.85,109.93 199.1,109.93 199.1,106.18 199.85,106.18 199.85,101.93 196.35,101.93 196.35,103.93 191.1,103.93 191.1,105.18 189.6,105.18
no net on Layer 18 "Layer 10-SDVDD12_9" (solid, shelved, pour order 173): 196.35,129.93 196.35,132.68 196.6,132.68 196.6,133.43 199.6,133.43 199.6,126.18 191.35,126.18 191.35,127.68 190.85,128.18 189.85,128.18 189.85,129.93
no net on Layer 18 "Layer 10-VCCAUX" (solid, shelved, pour order 171): 283.8,176.83 286.1,176.83 286.1,174.63 293.45,174.486 293.45,170.969 288.85,170.945 288.85,170.13 285.8,170.13 285,169.13 284.1,169.03 284.1,175.23 283.6,175.23 283.6,176.73
no net on Layer 18 "Layer 10-P4V0 1" (solid, shelved, pour order 170): 298.85,184.43 298.85,186.43 299.85,186.43 299.85,192.43 305.1,192.43 305.1,184.43
QSPI2_DQ3 on Layer 18 "Layer 10-GND 2" (solid, shelved, pour order 169): 587.098,121.714 583.098,121.714 583.098,110.714 587.098,110.714
no net on Layer 18 "Layer 10-P6V0AFEM_6" (solid, shelved, pour order 168): 245.256,210.1 249.006,210.1 249.006,202.6 249.756,202.6 249.756,199.1 245.256,199.1
no net on Layer 18 "Layer 10-SDVDD12" (solid, shelved, pour order 167): 592.598,102.214 592.598,103.214 589.098,103.214 589.098,101.964 587.348,101.964 587.348,100.964 583.848,97.464 581.848,97.464 581.848,100.214 582.848,101.214 582.848,104.464 595.348,104.464 595.348,102.214
no net on Layer 18 "Layer 10-P6V0_Buck" (solid, shelved, pour order 166): 315.85,152.68 313.35,152.68 313.35,160.18 312.6,160.18 312.6,160.43 310.6,160.43 310.6,164.93 315.85,164.93
no net on Layer 18 "Layer 10-P6V0" (solid, shelved, pour order 165): 318.1,148.43 322.85,148.43 322.85,157.43 318.1,157.43
no net on Layer 18 "Layer 10-SIOVDD33_10" (solid, shelved, pour order 163): 589.848,115.214 589.848,113.964 587.348,113.964 587.348,121.714 593.348,121.714 593.348,115.214
no net on Layer 18 "Layer 10-SIOVDD33" (solid, shelved, pour order 161): 191.35,116.93 194.35,116.93 194.35,117.93 196.85,117.93 196.85,110.43 190.6,110.43 190.6,114.18 191.35,114.18
no net on Layer 18 "Layer 10-MGTAVTT" (solid, shelved, pour order 160): 277.1,185.93 277.1,182.43 278.1,182.43 278.1,180.18 276.35,180.18 276.35,178.93 277.35,178.93 277.35,176.93 272.85,176.93 272.85,185.93
no net on Layer 18 "Layer 10-SVDD12" (solid, shelved, pour order 159): 17 vertices, not listed, extent 189.782,199.829 200.282,206.829
no net on Layer 18 "Layer 10-DVDD12_10" (solid, shelved, pour order 158): 590.416,97.315 590.416,99.565 586.666,99.565 586.666,98.065 582.916,98.065 582.916,102.315 590.166,102.315 590.916,101.565 591.916,101.565 591.916,100.565 593.916,100.565 593.916,97.315
no net on Layer 18 "Layer 10-P4V0 2" (solid, shelved, pour order 157): 220.85,92.68 227.1,92.68 227.1,98.93 220.85,98.93
no net on Layer 18 "Layer 10-P4V0_LDO_IN4" (solid, shelved, pour order 154): 214.1,81.43 214.1,79.68 207.85,79.68 207.85,76.68 202.1,76.68 202.1,81.43
no net on Layer 18 "Layer 10-P4V0 3" (solid, shelved, pour order 153): 210.76,101.976 210.76,109.226 205.51,109.226 205.51,101.976
no net on Layer 18 "Layer 10-P2V0 5" (solid, shelved, pour order 152): 183.35,203.43 190.6,203.43 190.6,208.68 183.35,208.68
no net on Layer 18 "Layer 10-P4V0 4" (solid, shelved, pour order 151): 600.598,99.714 593.348,99.714 593.348,94.464 600.598,94.464
no net on Layer 18 "Layer 10-P2V0 6" (solid, shelved, pour order 150): 205.26,101.976 205.26,109.226 200.01,109.226 200.01,101.976
no net on Layer 18 "Layer 10-P4V0 5" (solid, shelved, pour order 148): 564.398,197.053 564.398,201.303 566.148,201.303 566.148,207.303 562.648,207.303 562.648,201.553 560.898,201.553 560.898,197.053
no net on Layer 18 "Layer 10-P12V0AFEM" (solid, shelved, pour order 147): 257.6,131.93 264.85,131.93 267.85,128.63 267.85,127.93 270.1,127.93 270.1,122.68 266.6,122.68 266.6,127.43 263.873,130.43 257.6,130.43
no net on Layer 18 "Layer 10-P12V0AFEM_2" (solid, shelved, pour order 146): 257.35,98.93 264.6,98.93 267.6,95.63 267.6,94.93 269.85,94.93 269.85,89.68 266.35,89.68 266.35,94.43 263.623,97.43 257.35,97.43
no net on Layer 18 "Layer 10-P6V0AFEM_7" (solid, shelved, pour order 145): 265.6,175.68 265.6,171.93 263.1,171.93 263.1,170.18 262.1,170.18 262.1,166.18 258.85,166.18 258.85,172.68 260.6,172.68 260.6,173.43 262.6,173.43 262.6,175.68
no net on Layer 18 "Layer 10-P6V0AFEM_2" (solid, shelved, pour order 144): 265.6,109.43 265.6,105.68 263.1,105.68 263.1,103.93 262.1,103.93 262.1,99.93 258.85,99.93 258.85,106.43 260.6,106.43 260.6,107.18 262.6,107.18 262.6,109.43
no net on Layer 18 "Layer 10-P6V0AFEM" (solid, shelved, pour order 142): 265.85,142.43 265.85,138.68 263.35,138.68 263.35,136.93 262.35,136.93 262.35,132.93 259.1,132.93 259.1,139.43 260.85,139.43 260.85,140.18 262.85,140.18 262.85,142.43
no net on Layer 18 "Layer 10-DVDD12" (solid, shelved, pour order 141): 577.511,184.938 578.511,184.938 578.511,186.688 580.261,186.688 580.261,190.188 578.761,190.188 578.761,194.688 582.261,194.688 582.261,186.438 580.761,184.938 580.761,182.688 577.511,182.688
no net on Layer 18 "Layer 10-P3V3_CLKDIS5" (solid, shelved, pour order 140): 537.33,185.702 540.58,185.702 540.58,196.452 537.33,196.452
no net on Layer 18 "Layer 10-P2V0 7" (solid, shelved, pour order 139): 299.6,194.68 304.1,194.68 304.1,202.43 299.6,202.43
no net on Layer 18 "Layer 10-P3V3FEM_6" (solid, shelved, pour order 138): 245.256,183.6 250.506,183.6 250.506,190.1 245.256,190.1
no net on Layer 18 "Layer 10-PLLVDD12_10" (solid, shelved, pour order 137): 592.598,106.464 592.598,107.964 588.598,107.964 588.598,105.714 584.098,105.714 584.098,108.923 585.048,109.714 595.348,109.714 595.348,106.464
no net on Layer 18 "Layer 10-XR77129ILB_F_VOUT4" (solid, shelved, pour order 135): 286.6,188.43 286.6,191.43 280.35,191.43 280.35,193.93 289.85,193.93 289.85,188.43
no net on Layer 18 "Layer 10-P3V3FEM_2" (solid, shelved, pour order 133): 261.85,96.43 261.85,95.93 263.85,94.18 263.85,86.68 269.35,86.68 269.35,89.43 266.1,89.43 266.1,94.43 263.6,97.18 261.85,97.18
no net on Layer 18 "Layer 10-P3V3FEM" (solid, shelved, pour order 132): 262.1,129.43 262.1,128.93 264.1,127.18 264.1,119.68 269.6,119.68 269.6,122.43 266.35,122.43 266.35,127.43 263.85,130.18 262.1,130.18
no net on Layer 18 "Layer 10-P4V0 6" (solid, shelved, pour order 129): 233.85,91.808 238.126,91.808 238.126,99.18 233.85,99.18
QSPI2_DQ3 on Layer 18 "Layer 10-GND 3" (solid, shelved, pour order 127): 199.6,121.68 199.6,110.43 196.35,110.43 196.35,113.93 197.1,113.93 197.1,121.68
no net on Layer 18 "Layer 10-P4V0 7" (solid, shelved, pour order 126): 563.32,165.032 563.32,162.282 566.32,162.282 566.32,158.782 560.32,158.782 560.32,165.032
no net on Layer 18 "Layer 10-N6V0" (solid, shelved, pour order 125): 313.327,136.477 319.85,136.477 319.85,140.93 313.327,140.93
N12V0A on Layer 18 "Layer 10-N12V0A" (solid, shelved, pour order 124): 298.35,203.18 302.35,203.18 302.35,210.43 298.35,210.43
P3V3 on Layer 18 "Layer 10-P3V3" (solid, shelved, pour order 121): 305.1,74.93 312.6,74.93 312.6,78.68 305.1,78.68
no net on Layer 18 "Layer 10-P3V3F" (solid, shelved, pour order 120): 292.35,216.43 298.85,216.43 298.85,220.68 292.35,220.68
no net on Layer 18 "Layer 10-AVDD33_10" (solid, shelved, pour order 117): 588.598,97.964 584.598,97.964 583.598,96.964 580.098,96.964 580.098,93.714 584.598,93.714 586.098,95.214 588.598,95.214